# KiCad board beaglebone-ai-rev-a2.kicad_pcb (continued)
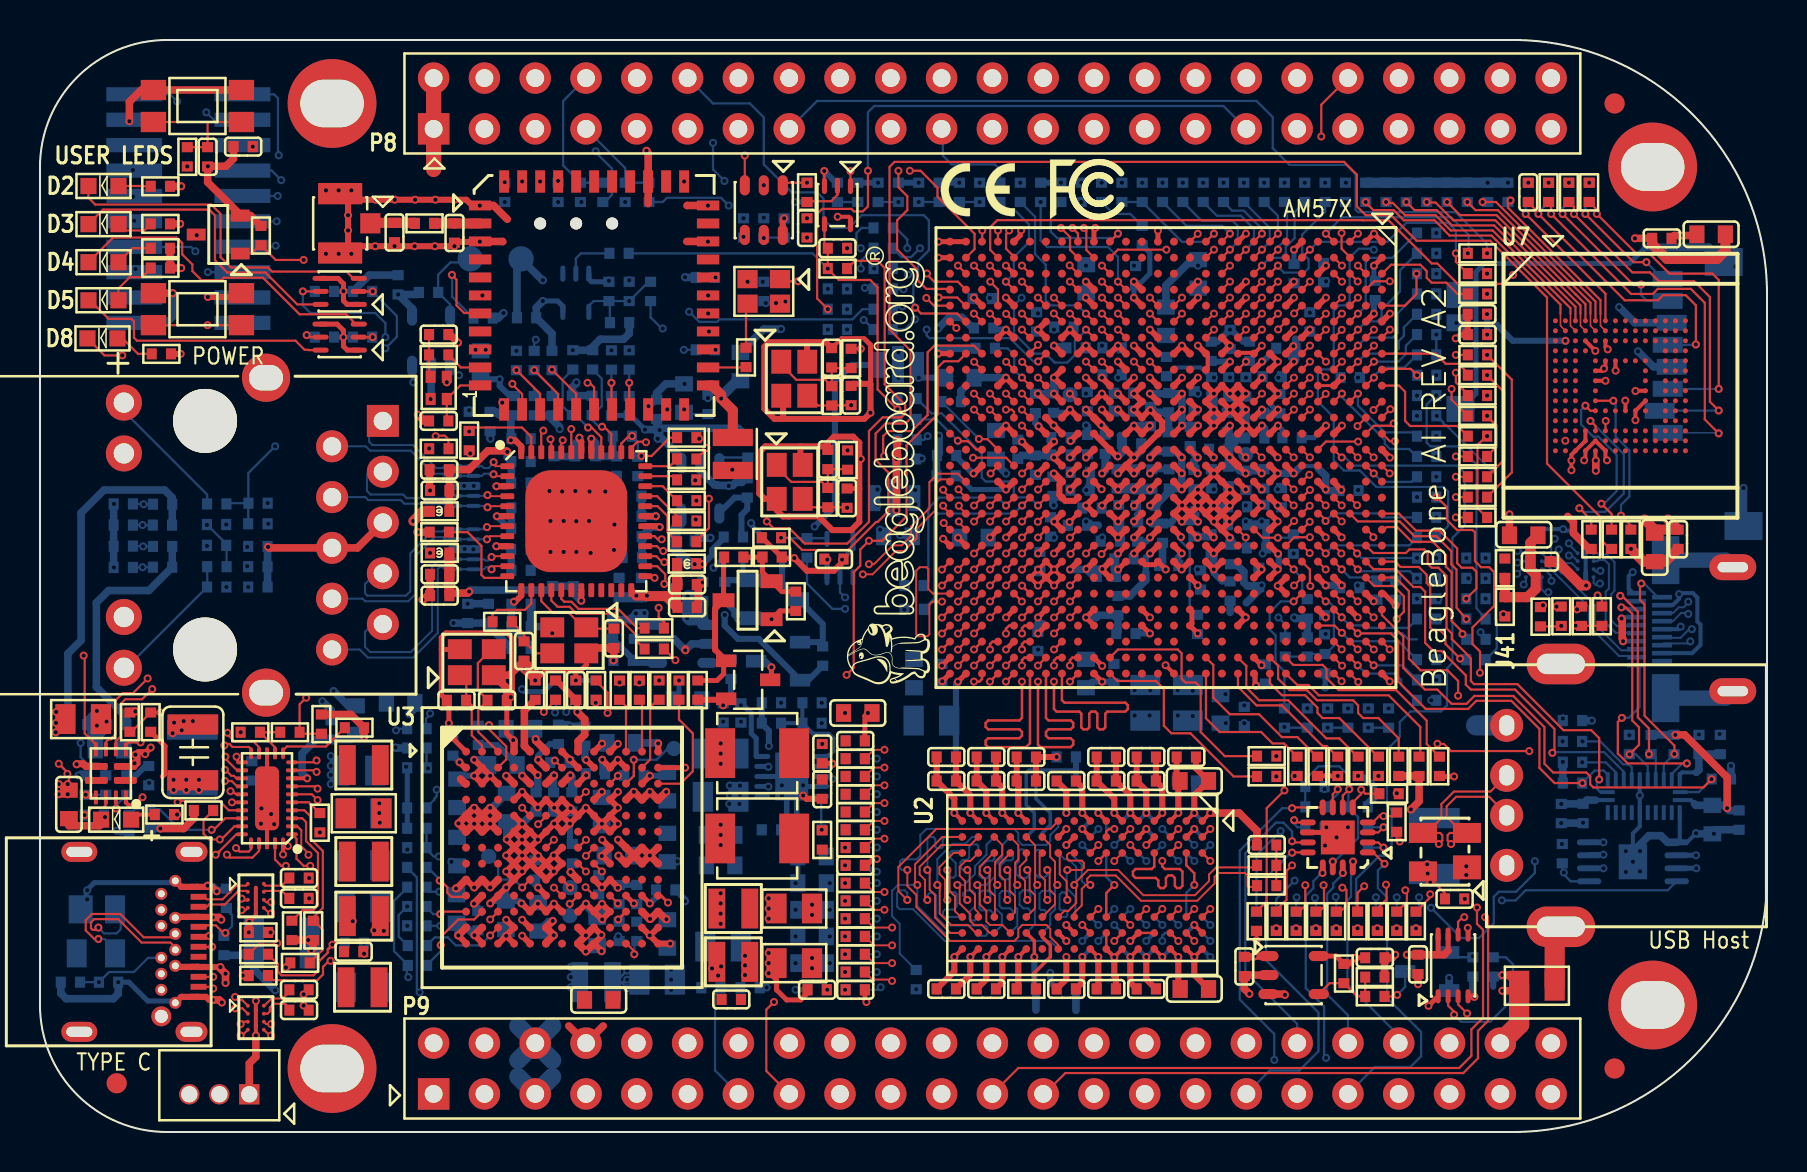
[diagram p0: board, top side]
## Routing (per net, layer and track width the routed paths; a pad name or vN(x,y) marks a point on that pad's centre or on a via; arc(x,y) is an arc through that point) (continued)
DDR1_BA2: length 47.4
  TOP w0.1: v1(49.37,11.6) 49.37,11.6 49.26,11.71 49.26,12.56 48.99,12.83 48.99,13.27 49.32,13.6 U2.M3 ; R42.2 41.69,8.45 v1(42.61,8.45)
  TOP w0.127: U4.AB18 v1(49.9,30.52)
  SIG_L5 w0.121: v1(49.37,11.6) 49.37,11.51 46.91,9.05 46.91,8.62 46.67,8.38 45.43,8.38 44.88,8.93 43.47,8.93 42.99,8.45 v1(42.61,8.45)
  SIG_L10 w0.121: v1(49.9,30.52) 49.5,30.13 49.5,29.46 49.63,29.34 50.16,29.34 50.32,29.18 50.32,28.71 50.16,28.56 49.63,28.56 49.5,28.43 49.5,27.92 49.3,27.72 48.93,27.72 48.7,27.49 48.7,27.17 48.47,26.94 48.21,26.94 47.9,26.63 47.9,26.37 47.67,26.14 47.35,26.14 47.1,25.89 47.1,25.57 46.87,25.34 46.61,25.34 46.57,25.29 46.56,25.29 46.34,25.08 46.34,24.83 46.02,24.51 45.72,24.51 45.47,24.26 45.47,23.97 45.26,23.76 44.91,23.76 44.7,23.56 44.7,22.35 45.21,21.84 45.21,20.64 46.48,19.37 48.51,19.37 48.9,18.99 48.9,17.72 49.02,17.59 49.57,17.59 49.7,17.46 49.7,16.83 49.83,16.7 50.16,16.7 50.29,16.57 50.29,16.14 50.42,16.01 50.78,16.01 50.91,15.88 50.91,15.69 50.78,15.56 50.42,15.56 50.29,15.44 50.29,15.24 50.42,15.11 50.86,15.11 50.99,14.99 50.99,14.8 50.86,14.67 50.42,14.67 50.29,14.54 50.29,14.35 50.42,14.22 50.86,14.22 50.99,14.1 50.99,13.91 50.86,13.78 50.29,13.78 49.76,13.25 49.76,12.87 49.37,12.48 v1(49.37,11.6)
  BOTTOM w0.1: U11.M3 49.52,10.96 49.52,11.07 49.41,11.18 49.17,11.18 48.98,11.37 48.98,11.93 49.15,12.09 49.38,12.09 49.52,11.95 49.52,11.76 v1(49.37,11.6)
DDR1_CASN: length 54.1
  TOP w0.1: v1(51.37,11.6) 51.37,11.6 51.34,11.63 51.34,12.54 50.99,12.88 50.99,13.88 U2.K3
  TOP w0.127: U4.AC18 v1(49.11,30.53)
  SIG_L5 w0.121: v1(42.04,7.24) 42.04,7.23 42.16,7.11 43.18,7.11 43.85,7.78 44.5,7.78 45.04,7.24 48.01,7.24 49.3,8.53 49.3,9.3 51.37,11.37 v1(51.37,11.6)
  SIG_L10 w0.121: v1(51.37,11.6) 51.1,11.33 50.16,10.39 43.52,10.39 42.65,11.26 42.65,19.29 42.23,19.71 42.23,20.76 41.71,21.29 41.71,26.87 44.82,29.98 44.82,30.77 44.99,30.94 48.69,30.94 48.82,30.81 48.83,30.81 v1(49.11,30.53)
  BOTTOM w0.1: v1(42.04,7.24) 42.04,7.21 41.94,7.11 R140.2 ; v1(51.37,11.6) 51.37,11.84 51.23,11.98 51.1,11.98 50.99,11.87 50.99,11.16 51.06,11.09 51.29,11.09 51.37,11 51.37,10.82 51.31,10.75 U11.K3
DDR1_CKE: length 48.4
  TOP w0.1: v1(43.37,13.1) 43.37,12.3 43.82,11.85 43.82,11.25 45.52,9.55 48.72,9.55 48.92,9.75 48.92,10.15 49.12,10.35 50.32,10.35 50.52,10.15 50.52,9.75 50.92,9.35 U2.K9
  TOP w0.127: U4.AG22 v1(45.9,27.32)
  INT_L3 w0.121: v1(45.9,27.32) 45.5,26.92 45.5,24.8 45.22,24.52 44.45,24.52 44.32,24.39 44.32,21.97 44.2,21.84 43.82,21.84 43.69,21.72 43.69,21.53 43.82,21.4 44.2,21.4 44.32,21.27 44.32,21.08 44.2,20.96 43.82,20.96 43.69,20.83 43.69,20.64 43.82,20.51 44.2,20.51 44.32,20.38 44.32,20.19 44.2,20.07 43.82,20.07 43.69,19.94 43.69,19.75 43.82,19.62 44.2,19.62 44.32,19.49 44.32,19.3 44.2,19.18 43.82,19.18 43.69,19.05 43.69,18.8 43.82,18.67 44.2,18.67 44.32,18.54 44.32,18.35 44.2,18.22 43.82,18.22 43.69,18.1 43.69,17.91 43.82,17.78 44.2,17.78 44.32,17.65 44.32,17.46 44.2,17.34 43.82,17.34 43.69,17.21 43.69,17.02 43.82,16.89 44.2,16.89 44.32,16.76 44.32,16.57 44.2,16.45 43.82,16.45 43.69,16.32 43.69,16.13 43.82,16 44.2,16 44.32,15.88 44.32,15.68 44.2,15.56 43.88,15.56 43.75,15.43 43.75,13.84 43.37,13.46 v1(43.37,13.1)
  SIG_L5 w0.121: v1(41.85,14.22) 42.25,14.22 v1(43.37,13.1)
  BOTTOM w0.1: U11.K9 50.92,15.25 50.52,14.85 50.52,14.55 50.32,14.35 49.12,14.35 48.92,14.55 48.92,14.95 48.72,15.15 44.32,15.15 44.02,14.85 44.02,13.83 43.83,13.63 43.11,13.63 43,13.52 43,13.2 43.1,13.1 v1(43.37,13.1) ; R126.2 v1(41.85,14.22)
DDR1_CLK0: length 50.7
  TOP w0.102: U2.J7 51.72,10.96 52.1,11.33 52.1,12.15 52.3,12.35 v1(52.52,12.35) 52.37,12.51 52.37,12.67 52.53,12.83 53.79,12.83 55.06,11.56 57.87,11.56 58.74,12.43 58.74,12.76 58.93,12.95 60.25,12.95 60.39,12.81 60.39,12.32 60.45,12.26 60.79,12.26 R26.2
  TOP w0.127: U4.AG24 v1(45.9,25.72)
  SIG_L8 w0.094: v1(52.52,12.35) 52.4,12.48 52.4,13.44 51.84,14 51.18,14 50.85,14.33 50.85,15.73 50.53,16.05 50.04,16.05 49.91,16.18 49.91,16.39 50,16.48 50.55,16.48 50.83,16.76 50.83,17.17 50.52,17.48 47.16,17.48 47.07,17.57 47.07,17.78 47.22,17.93 50.2,17.93 50.47,18.2 50.47,18.68 50.2,18.95 47.16,18.95 47.07,19.04 47.07,19.36 47.16,19.46 49.3,19.46 49.58,19.74 49.58,20.22 49.28,20.52 47.15,20.52 47.02,20.66 47.02,20.9 47.14,21.03 47.96,21.03 48.23,21.3 48.23,21.83 47.96,22.1 45.03,22.1 44.7,22.43 44.7,25.04 44.96,25.3 45.15,25.3 v1(45.9,25.72)
  BOTTOM w0.102: U11.J7 51.72,13.75 52.1,13.38 52.1,12.55 52.29,12.35 v1(52.52,12.35)
DDR1_CLK0N: length 50.7
  TOP w0.102: U2.K7 51.22,11.05 51.42,11.05 51.82,11.45 51.82,12.26 v1(51.72,12.35) 51.72,12.42 52.09,12.78 52.41,13.11 53.91,13.11 55.17,11.84 57.75,11.84 58.46,12.55 58.46,12.88 58.81,13.23 60.76,13.23 R29.2
  TOP w0.127: U4.AH24 v1(45.1,25.72)
  SIG_L8 w0.094: v1(51.72,12.35) 51.88,12.35 52.1,12.57 52.1,13.31 51.72,13.69 51.05,13.69 50.55,14.2 50.55,15.6 50.4,15.75 49.91,15.75 49.61,16.05 49.61,16.52 49.88,16.79 50.43,16.79 50.52,16.88 50.52,17.04 50.39,17.17 47.03,17.17 46.76,17.44 46.76,17.91 47.09,18.24 50.07,18.24 50.16,18.33 50.16,18.55 50.07,18.64 47.03,18.64 46.76,18.92 46.76,19.49 47.03,19.76 49.18,19.76 49.28,19.86 49.28,20.09 49.15,20.22 47.02,20.22 46.71,20.53 46.71,21.03 47.02,21.34 47.84,21.34 47.93,21.43 47.93,21.7 47.84,21.79 44.91,21.79 44.4,22.3 44.4,25.17 44.83,25.6 44.98,25.6 v1(45.1,25.72)
  BOTTOM w0.102: U11.K7 51.22,13.65 51.42,13.65 51.82,13.26 51.82,12.45 v1(51.72,12.35)
DDR1_CSN0: length 49.1
  TOP w0.1: v1(42.61,7.56) 42.54,7.62 41.63,7.62 R129.2 ; v1(45.1,26.52) 44.72,26.52 44.72,26.52 44.63,26.52 44.48,26.37 44.48,24.89 44.38,24.79 43.92,24.79 43.81,24.89 43.81,28.07 43.99,28.24 44.32,28.24 44.42,28.14 44.42,27.15 44.65,26.92 U4.AH23 ; U2.L2 50.51,14.36 50.51,13.76 50.76,13.52 50.76,12.42 50.82,12.35 v1(50.87,12.35)
  SIG_L5 w0.121: v1(50.87,12.35) 50.87,11.5 48.51,9.14 48.51,8.49 47.64,7.62 45.17,7.62 44.63,8.16 43.72,8.16 43.12,7.56 v1(42.61,7.56)
  SIG_L8 w0.121: v1(50.87,12.35) 50.51,12.71 50.02,12.71 49.78,12.95 49.78,13.53 49.72,13.59 49.72,14.9 49.44,15.18 45.94,15.18 45.34,15.77 45.34,16.15 45.97,16.79 45.97,20.76 45.85,20.89 44.87,20.89 43.56,22.2 43.56,25.4 44.69,26.52 v1(45.1,26.52)
  BOTTOM w0.1: v1(50.87,12.35) 50.75,12.24 50.75,11.13 50.52,10.9 50.52,10.35 U11.L2
DDR1_ODT0: length 48.2
  TOP w0.1: v1(43.37,11.6) 42.92,12.05 42.92,13.25 44.82,15.15 50.52,15.15 U2.K1
  TOP w0.127: U4.AE20 v1(47.51,28.93)
  SIG_L5 w0.121: v1(41.85,11.56) 43.32,11.56 v1(43.37,11.6)
  SIG_L10 w0.121: v1(47.51,28.93) 47.24,28.93 47.12,29.06 47.12,29.7 47,29.82 46.41,29.82 46.29,29.7 46.29,29.08 46.16,28.96 44.77,28.96 43.94,28.13 43.94,26.86 43.81,26.73 42.54,26.73 42.42,26.61 42.42,21.59 42.98,21.03 42.98,19.88 43.88,18.98 43.88,13.06 43.37,12.55 v1(43.37,11.6)
  BOTTOM w0.1: U11.K1 50.52,9.55 45.25,9.55 43.66,11.14 42.99,11.14 42.86,11.27 42.86,11.96 42.99,12.08 43.25,12.08 43.37,11.96 v1(43.37,11.6) ; R161.2 v1(41.85,11.56)
DDR1_RASN: length 50.3
  TOP w0.1: v1(42.23,19.11) 41.69,19.11 R25.2 ; U2.J3 51.46,13.95 51.36,13.86 51.36,13.65 51.44,13.57 52.09,13.57 52.2,13.47 52.2,13.22 52.08,13.1 v1(51.37,13.1)
  TOP w0.127: U4.AF20 v1(46.71,28.93)
  SIG_L5 w0.121: v1(51.37,13.1) 51.27,13.2 50.92,13.2 49.33,14.8 49.33,16.16 46.38,19.11 v1(42.23,19.11)
  SIG_L8 w0.121: v1(46.71,28.93) 47.13,28.51 50.16,28.51 50.29,28.38 50.29,27.06 50.16,26.93 49.76,26.93 49.51,26.68 49.51,26.3 49.35,26.13 44.8,26.13 43.94,25.27 43.94,22.3 44.97,21.27 46.23,21.27 46.35,21.15 46.35,16.36 46.1,16.1 46.1,15.81 46.35,15.56 49.62,15.56 50.1,15.07 50.1,13.72 50.23,13.59 50.67,13.59 51.16,13.1 v1(51.37,13.1)
  BOTTOM w0.1: U11.J3 51.73,10.75 51.78,10.81 51.78,11.76 51.33,12.2 51.33,13.07 v1(51.37,13.1)
DDR1_RST: length 34.2
  TOP w0.1: v1(43.87,12.35) 43.87,12.35 43.76,12.46 43.76,13.39 45.12,14.75 U2.T2
  TOP w0.127: U4.AG21 v1(45.9,28.12)
  SIG_L8 w0.121: v1(45.9,28.12) 45.9,28.13 45.52,28.51 43.83,28.51 42.04,26.72 42.04,21.79 43.81,20.02 43.81,12.41 v1(43.87,12.35)
  BOTTOM w0.1: R139.1 42.99,8.93 42.99,10.41 42.61,10.8 42.61,12.06 42.9,12.35 v1(43.87,12.35) 43.87,11.3 45.22,9.95 U11.T2
DDR1_WEN: length 48
  TOP w0.1: U2.L3 49.99,13.82 49.99,12.86 50.25,12.6 50.25,11.72 50.37,11.6 v1(50.37,11.6)
  TOP w0.127: U4.AH21 v1(45.1,28.12)
  SIG_L5 w0.121: v1(50.37,11.6) 47.74,8.97 47.74,8.61 47.13,8 45.3,8 44.76,8.54 43.6,8.54 43.05,8 v1(41.85,8)
  SIG_L10 w0.121: v1(50.37,11.6) 50.36,11.6 50.36,11.05 50.04,10.73 49.21,10.73 49.09,10.86 49.09,11.24 48.96,11.37 48.77,11.37 48.64,11.24 48.64,10.86 48.51,10.73 45.98,10.73 45.85,10.86 45.85,11.36 45.85,11.36 45.85,11.75 45.34,12.26 45.34,12.51 45.85,13.02 45.85,13.46 45.72,13.59 45.21,13.59 45.09,13.72 45.09,13.91 45.21,14.03 46.48,14.03 46.6,14.16 46.6,14.35 46.48,14.48 45.47,14.48 45.34,14.61 45.34,14.8 45.47,14.92 46.48,14.92 46.6,15.05 46.6,15.24 46.48,15.37 45.47,15.37 45.34,15.49 45.34,18.48 43.69,20.13 43.69,21.34 43.18,21.84 43.18,24.89 44.7,26.42 44.7,27.81 45.02,28.12 v1(45.1,28.12)
  BOTTOM w0.1: v1(50.37,11.6) 50.51,11.74 50.51,11.97 50.42,12.06 50.11,12.06 49.98,11.93 49.98,11.17 50.06,11.1 50.24,11.1 50.29,11.04 50.29,10.84 50.21,10.75 U11.L3 ; R143.2 v1(41.85,8)
DDR_VREFSTL: length 21.6
  TOP w0.178: U2.M8 49.72,9.55 v1(49.72,8.75)
  TOP w0.203: U2.H1 v1(52.12,15.95) ; v1(51.49,30.51) U4.Y18
  TOP w0.254: U4.N22 v1(57.89,27.34)
  TOP w0.305: v1(52.12,8.75) 52.12,7.47 C35.1 ; C20.1 52.12,17.24 v1(52.12,15.95)
  BOTTOM w0.178: 49.46,18.08 49.32,17.95 49.32,16.36 49.72,15.95 49.72,15.15 U11.M8
  BOTTOM w0.203: U11.H1 v1(52.12,8.75) ; 49.46,18.08 51.73,18.08 51.8,18.16
  BOTTOM w0.305: C144.1 49.72,7.24 v1(49.72,8.75) ; v1(52.12,15.95) 52.12,17.24 C20.1 C99.2 ; v1(52.12,8.75) 52.12,7.47 C35.1
  BOTTOM w0.381: C35.1 51.8,6.08 ; C144.1 49.8,6.1
  vias: v1(59.94,19.56) v1(60.45,19.56) v1(60.96,19.56)
E6_EHRPWM2A: length 27.9
  TOP w0.114: U4.E6 v1(64.3,40.93)
  SIG_L8 w0.102: v1(64.3,40.93) 64.03,41.19 64.03,41.43 63.12,42.34 63.12,43.15 62.29,43.98 62.29,45.47 61.68,46.08 54.13,46.08 53.34,46.86 48.83,46.86 48.45,47.24 48.45,47.71 47.37,48.79 44.29,48.79 42.92,50.17 P8.19
E7_LCD_DATA7: length 17.3
  TOP w0.114: U4.E7 v1(64.3,40.13)
  INT_L3 w0.102: v1(64.3,40.13) 64.72,40.54 67.69,40.54 67.89,40.74 67.89,45.58 67.67,45.81 67.67,47.96 66.8,48.82 66.8,51.56 P8.40
E8_VOUT1_D8: length 8.5
  TOP w0.114: U4.E8 v1(64.3,38.52)
  SIG_L5 w0.102: v1(64.3,38.52) 64.26,38.48 64.26,38.28 63.88,37.9 63.88,36.7 64.44,36.14 65.81,36.14 66.45,36.78 68,36.78 68.86,35.92 v1(68.86,35.81)
E9_LCD_DATA4: length 17.2
  TOP w0.114: U4.E9 v1(64.29,37.74)
  INT_L3 w0.102: P8.41 69.72,49.4 69.72,46.1 69.19,45.57 69.19,39.88 67.46,38.15 64.69,38.15 v1(64.29,37.74)
E11_VOUT1_VSYNC: length 10.5
  TOP w0.114: U4.E11 v1(64.29,36.92) ; R666.1 v1(70.8,32.77)
  SIG_L8 w0.102: v1(64.29,36.92) 64.7,36.51 67.82,36.51 68.28,36.06 68.28,35.76 68.86,35.18 69.98,35.18 70.33,34.82 70.33,33.24 v1(70.8,32.77)
E14_GPIO4_18: length 35.7
  TOP w0.114: v1(65.91,34.53) 64.31,34.53 U4.E14 ; R577.1 69.47,11.68 69.47,11.84 v1(69.52,11.89)
  SIG_L8 w0.102: v1(69.52,11.89) 69.49,11.89 68.58,12.8 68.58,14.15 70.31,15.88 70.31,18.08 71.3,19.08 71.3,21.01 72.39,22.1 72.39,24.09 73.71,25.41 73.71,26.94 72.59,28.05 71.07,28.05 69.44,29.68 68.75,29.68 68.19,29.12 66.26,29.12 65.8,29.58 65.8,30.77 66.29,31.27 66.29,34.11 65.91,34.49 v1(65.91,34.53)
E17_TIMER14: length 47.3
  TOP w0.114: U4.E17 v1(64.29,31.33)
  SIG_L8 w0.102: v1(64.29,31.33) 63.94,31.69 63.94,32.28 63.94,32.29 63.94,33.85 62.05,35.74 61.73,35.74 61.47,36 61.47,36.32 61.28,36.51 60.96,36.51 60.71,36.77 60.71,37.08 60.45,37.34 60.07,37.34 59.94,37.47 59.94,37.85 59.69,38.1 59.31,38.1 59.05,38.35 59.05,38.74 58.67,39.12 58.67,39.49 58.35,39.81 58.35,41.07 58.61,41.33 58.61,42.35 58.04,42.93 57.34,42.93 57.05,43.21 55.9,43.21 55.72,43.21 54.95,43.99 50.26,43.99 49.83,44.42 46.89,44.42 45.19,46.13 37.36,46.13 36.53,46.96 34.12,46.96 33.53,47.56 33.53,48.07 32.89,48.7 31.31,48.7 P8.9
E21_UAR10_RXD: length 24.7
  TOP w0.114: U4.E21 v1(64.29,28.13) ; v1(65.13,12.22) 65.21,12.22 65.33,12.1 65.33,11.33 65.02,11.02 R652.1
  SIG_L10 w0.102: v1(64.29,28.13) 64.71,27.72 64.71,24.19 64.64,24.13 64.64,22.17 64.97,21.84 64.97,20.07 63.12,18.21 63.12,17.27 62.26,16.41 62.26,15.41 62.48,15.18 62.48,14.92 62.13,14.57 62.13,11.3 62.38,11.05 64.06,11.05 64.16,11.15 64.16,11.73 64.64,12.22 v1(65.13,12.22)
Earth: length 725.7
  TOP w0.127: U2.G9 U2.G8 ; v1(57.72,12.35) 57.72,12.94 57.32,13.34 U2.B3 ; U2.D8 U2.E8 ; R679.2 v1(62.74,17.81)
  TOP w0.152: v1(39.22,48.06) 39.22,47.32 U6.3
  TOP w0.203: U7.H10 79.79,37.07 v1(79.78,37.06) ; U12.12 4.29,16.48 4.44,16.34 4.73,16.34 v1(5.13,16.74) ; v1(51.32,14.35) U2.J2 ; U2.G1 v1(52.92,15.95) ; U13.28 U13.31 U13.13 ; U2.M1 v1(48.92,15.95) ; U2.P1 v1(47.32,15.95) ; U7.C4 77.28,39.56 v1(77.77,39.07) ; U2.E8 v1(54.52,9.55) ; U2.G9 53.42,9.06 53.42,9.04 v1(53.72,8.74) 53.72,8.75 U2.F9 ; U88.B1 U88.B2 10.79,10.85 v1(10.46,10.52) ; U7.E7 78.78,38.08 v1(78.79,38.07) ; v1(10.79,4.83) U89.B2 U89.B1 v1(10.79,6.55) ; U2.T1 v1(45.72,15.95) ; U2.E1 v1(54.52,15.95) ; U7.G5 78.28,37.57 v1(78.28,37.57) ; U2.D1 v1(56.12,15.95) ; U2.B9 v1(57.72,8.75) U2.A9 ; v1(78.36,33.59) 78.3,33.59 78.28,33.6 U7.P6 U7.N5 U7.P4 77.28,33.59 77.28,33.59 v1(77.22,33.59) ; U2.M9 v1(48.92,8.75) ; v1(79.27,36.58) 79.28,36.57 U7.K8 ; U2.B1 v1(57.72,15.95) ; U2.J8 v1(51.32,10.35) ; U2.T9 v1(45.72,8.75) ; U2.P9 v1(47.32,8.75) ; U2.E2 v1(55.32,15.15) ; v1(56.29,23.34) U4.P28
  TOP w0.254: v1(62.71,44.12) 63.1,44.52 U4.F1 ; U4.K15 v1(60.29,32.93) ; U4.V15 v1(53.11,32.93) ; v1(26.8,22.58) 26.8,23.06 26.77,23.09 ; U4.B1 v1(66.7,44.93) U4.A1 ; U4.AB20 v1(49.91,28.93) ; U4.AA20 v1(50.71,28.93) ; U3.A1 20.65,19.68 v1(20.65,19.79) 20.45,19.99 v1(20.45,20.45) 20.45,21.49 C52.1 20.07,21.87 20.07,24.13 ; 26.77,23.09 27.05,23.09 27.32,23.35 X9.4 ; 26.77,23.09 25.27,23.09 v1(24.77,22.58) ; T1.1 15.37,39.1 15.18,39.29 v1(15.18,39.75) 15.18,40.08 14.86,40.4 T1.4 ; U4.AH2 44.94,43.73 v1(44.94,43.72) ; U4.A28 v1(67.49,22.53) ; U4.AD19 v1(48.31,29.73) ; v1(57.89,24.93) U4.N25 57.6,25.43 57.6,26.02 U4.N24 ; U4.D19 v1(65.09,29.73) ; v1(45.16,29.67) U4.AH20 ; U4.E19 v1(64.29,29.73) ; v1(56.29,28.13) U4.R21 55.75,28.37 55.26,28.37 U4.T21 ; U4.W28 52.71,22.92 v1(53.11,22.52) ; U4.T14 v1(54.71,33.73) ; v1(52.77,45.21) 52.7,45.15 U4.W1 ; U4.J28 60.76,22.87 60.76,22.38 60.81,22.33 v1(60.81,22.31) ; v1(44.94,44.52) 44.94,44.53 U4.AH1 U4.AG1 ; U4.AE19 v1(47.51,29.73) ; v1(23.66,19.6) 23.34,19.92 C51.1 23.39,21.59 v1(23.55,21.74) 23.62,21.82 23.62,22.86 ; 23.62,22.86 23.62,24.69 23.35,24.96 20.3,24.96 20.07,24.73 20.07,24.13 ; 23.62,22.86 22.71,22.86 X6.2 ; U46.1 v1(69.43,6.31) ; v1(41.33,6.5) 41.33,6.55 41.25,6.63 C42.1 ; 20.07,24.13 20.98,24.13 X6.4 ; U4.U21 v1(53.91,28.13) ; v1(45.12,22.54) U4.AH28 ; v1(64.33,15.24) 64.07,14.98 U78.10 ; U4.AA14 v1(50.71,33.73) ; U3.E7 v1(25.71,16.21) ; U4.N15 v1(57.89,32.93) ; T2.4 14.91,42.69 15.18,42.42 v1(15.18,42.05) 15.18,41.57 15.36,41.39 T2.1 ; U4.AH8 v1(44.91,38.92) ; U4.R1 v1(55.9,45.07) ; U4.W25 52.7,25.33 v1(52.31,25.73) U4.W24 ; U4.AD1 49.02,44.84 49.02,45.03 49.07,45.08 v1(49.07,45.09) ; v1(71.73,6.76) 71.6,6.76 71.57,6.79 U46.4 ; U4.T15 v1(54.71,32.93) ; U4.U20 v1(53.91,28.93) ; U4.A23 67.21,26.92 v1(67.79,26.34) ; U4.V17 v1(53.11,31.33) ; v1(66.71,43.33) 67.1,43.72 U4.A2 ; U4.AD24 v1(48.31,25.73) ; U4.W15 v1(52.31,32.93) ; U4.J15 v1(61.09,32.93) ; U4.K1 v1(60.3,44.93) ; U4.M19 v1(58.69,29.73) ; U4.N19 v1(57.89,29.73) ; U4.N14 v1(57.89,33.73) ; U4.U17 v1(53.91,31.33) ; U4.T17 v1(54.71,31.33) ; U4.T18 v1(54.71,30.53)
  TOP w0.305: v1(26.53,16.19) U3.D7 25.71,16.23 v1(25.71,16.21) U3.D6 24.91,16.23 v1(24.89,16.23) 24.89,16.23 U3.D5 v1(24.11,17.01) 23.72,16.62 U3.D4 ; v1(26.53,16.19) 26.16,15.82 U3.E7 ; v1(26.53,16.19) 26.9,15.82 U3.E8 ; v1(24.11,13.83) U3.H4 ; v1(24.11,13.83) 23.72,14.22 U3.G4 ; v1(24.11,13.83) U3.G5 ; v1(24.11,13.83) 24.51,13.44 U3.H5 ; U3.H4 24.1,13.03 v1(24.11,13.03) ; U3.H4 23.31,13.81 v1(23.31,13.83) U3.G4 ; U3.H4 v1(23.31,13.03) 23.31,13.01 U3.J4 ; v1(50.71,33.73) 51.1,33.33 U4.AA15 ; v1(24.11,13.03) U3.J4 ; v1(24.11,13.03) U3.H5 ; U3.J4 v1(23.31,12.23) U3.K3 v1(22.51,11.43) ; U3.H6 24.91,13.03 ; U3.H6 25.69,13.81 v1(25.69,13.83) ; U3.H6 v1(24.91,13.82) ; U3.H6 v1(25.7,13.03) ; 24.91,13.03 25.31,12.64 U3.J6 25.7,13.01 v1(25.7,13.03) ; 24.91,13.03 24.9,13.03 U3.H5 ; U3.F9 v1(28.1,15.41) ; v1(28.1,15.41) 28.49,15.02 U3.F10 v1(28.9,15.41) 28.9,15.43 U3.E10 ; v1(28.1,15.41) U3.E10 ; v1(28.1,15.41) 27.71,15.81 U3.E9 27.31,16.21 v1(27.3,16.21) U3.E8 ; v1(17.73,44.3) C268.2 ; v1(17.73,44.3) v1(18.73,44.3) v1(19.75,44.3) v1(20.73,44.3) C488.2 20.73,44.51 22,44.51 v1(22,44.53) ; v1(17.73,44.3) v1(16.76,44.3) 15.41,44.3 v1(15.41,45.09) v1(15.41,45.85) 15.41,46.62 v1(16.79,46.62) v1(17.74,46.62) v1(18.76,46.62) v1(19.77,46.62) v1(20.73,46.62) 21.32,46.62 21.61,46.33 U37.1 ; v1(28.9,12.21) 28.9,12.23 U3.J10 28.11,12.23 v1(28.1,12.23) U3.J9 ; U4.G7 v1(62.7,40.13) ; U3.E7 25.71,15.43 v1(25.71,15.42) ; U3.E7 26.5,15.42 v1(26.5,15.42) ; v1(22.51,17.81) 22.5,17.81 U3.C2 v1(21.71,17.81) 22.11,18.21 U3.B2 ; v1(22.51,17.81) U3.C3 ; v1(22.51,17.81) U3.B2 ; C11.2 C25.2 56.12,17.24 v1(56.12,15.95) ; U4.AA11 v1(50.7,36.93) ; v1(24.9,14.62) 24.91,14.62 U3.F6 25.31,15.02 v1(25.71,15.42) ; v1(24.9,14.62) 24.9,14.62 U3.G5 ; v1(24.9,14.62) 24.9,14.63 U3.F5 ; 7.87,12.26 8.32,12.26 v1(8.38,12.32) 8.44,12.26 8.62,12.26 v1(8.84,12.04) ; 7.87,12.26 7.88,12.26 ; 7.87,12.26 7.07,12.26 7.07,12.26 ; U3.C12 v1(30.5,17.81) ; v1(51.32,15.95) 51.32,17.07 C20.2 ; U3.B11 29.29,18.22 v1(28.9,18.61) U3.B10 28.12,18.61 v1(28.12,18.62) ; U3.L9 28.1,10.63 v1(28.11,10.63) 28.11,10.63 U3.L10 28.49,11.02 v1(28.1,11.41) 28.09,11.41 U3.L9 ; U3.L9 27.7,11.02 v1(27.3,11.42) 27.3,11.42 U3.L8 ; U3.H5 24.51,13.42 v1(24.91,13.82) ; U4.U15 v1(53.91,32.93) ; U4.U15 v1(54.71,33.73) 54.31,34.13 U4.U14 ; U4.U15 54.31,33.33 v1(54.71,32.93) ; v1(28.9,17.01) U3.D10 28.9,16.23 v1(28.9,16.21) U3.E10 ; v1(24.08,11.43) 24.1,11.43 U3.L5 24.9,11.42 v1(24.9,11.42) 24.91,11.42 U3.L6 25.7,11.42 v1(25.7,11.42) 25.71,11.42 U3.L7 ; U4.AD10 v1(48.3,37.73) U4.AE10 ; v1(8.39,41.76) 10.07,41.76 S3.1 ; C6.2 38.33,16.66 v1(38.16,16.83) ; C36.2 55.32,7.64 v1(55.32,8.75) ; C230.2 47.32,7.64 v1(47.32,8.75) ; 7.88,12.26 J42.A1 ; 7.88,12.26 7.07,12.26 ; U4.AA9 v1(50.7,37.73) U4.AA10 ; U3.B2 v1(21.71,18.61) ; v1(57.72,15.95) 57.72,16.84 C89.2 57.8,18.18 C231.2 ; U3.E4 24.1,15.43 24.1,15.41 ; U4.K24 v1(60.29,25.73) 59.9,25.34 U4.K25 ; U3.G4 v1(24.1,14.62) ; U3.G4 23.71,14.27 v1(23.34,14.63) 23.34,14.66 U3.F4 ; v1(24.1,14.62) U3.F4 ; v1(24.1,14.62) U3.F5 ; v1(24.1,14.62) U3.G5 ; v1(51.32,8.75) 51.32,7.64 C35.2 ; U3.E8 26.51,15.42 v1(26.5,15.42) ; C17.2 C19.2 47.32,17.07 v1(47.32,15.95) ; v1(8.64,6.6) 8.46,6.6 8.31,6.76 7.87,6.76 ; v1(25.71,15.42) 26.11,15.03 U3.F7 26.5,15.42 v1(26.5,15.42) ; 24.1,15.41 v1(24.11,15.41) U3.F5 ; 24.1,15.41 U3.F4 ; R22.1 48.92,7.24 v1(48.92,8.75) ; v1(20.92,9.83) 21.31,9.44 U3.N1 ; v1(21.72,9.84) 22.11,9.46 U3.N2 ; v1(24.91,13.82) U3.G5 ; U4.AE13 v1(48.3,35.33) U4.AD13 ; U4.K4 v1(60.3,42.53) ; U4.D13 v1(65.1,35.33) ; v1(30.49,9.83) 30.51,9.85 30.54,9.85 U3.M13 ; v1(30.49,9.83) U3.N13 31.51,9.42 v1(31.51,9.42) ; v1(30.49,9.83) U3.M12 ; v1(25.7,13.03) 25.71,13.03 U3.H7 25.69,13.83 25.72,13.83 U3.G7 ; C39.2 57.72,7.87 v1(57.72,8.75) ; U4.J12 v1(61.1,36.13) ; C10.2 C24.2 54.52,16.84 v1(54.52,15.95) ; U4.L13 v1(59.5,35.33) ; 7.06,6.76 J42.B1 ; 7.06,6.76 7.07,6.76 7.88,6.76 ; 7.06,6.76 7.87,6.76 ; U4.E13 v1(64.3,35.33) ; v1(45.72,15.95) 45.72,16.67 C22.2 C18.2 ; 7.87,6.76 7.88,6.76 ; 7.88,6.76 J42.A12 ; v1(48.92,15.95) 48.92,17.47 C23.2 C213.2 ; v1(30.91,19.43) 30.91,19.03 U3.A13 ; U4.T14 U4.R13 56.11,35.13 56.11,35.52 U4.R12 v1(55.53,36.1) 55.48,36.1 U4.T12 v1(54.7,36.13) U4.T11 v1(54.7,36.93) U4.T10 ; v1(45.72,8.75) 45.72,8.04 C9.2 ; 7.07,12.26 J42.B12 ; v1(28.11,14.61) U3.G10 28.51,14.22 v1(28.09,13.8) 28.12,13.8 U3.H10 ; U4.F7 v1(63.5,40.13) ; U4.K5 v1(60.3,41.73) ; v1(62.68,39.3) U4.G8 ; U4.R15 v1(55.51,32.93) ; U3.A7 v1(26.5,18.63) U3.B8 ; U4.G9 v1(62.7,38.53) ; U4.AA8 v1(50.7,39.33) ; v1(53.72,8.74) 53.72,7.8 53.8,7.71 C40.2 ; U4.H12 v1(61.9,36.13) ; U4.A6 v1(67.5,40.93) ; C283.2 71.39,39.88 C281.2 71.04,39.88 70.86,39.69 v1(70.79,39.69) ; U4.AB11 v1(49.9,36.93) ; U4.A14 v1(67.5,33.72) ; U4.AB14 v1(50.71,34.53)
  TOP w0.381: v1(23.66,19.6) 23.71,19.56 U3.A4 ; v1(73.13,7.85) 73.43,7.85 R699.2 73.71,7.06 v1(73.13,7.06) ; v1(18.9,35.86) 19.2,35.56 C68.2 ; R677.2 R676.2 68.96,16.54 v1(68.55,16.13) ; J92.1 10.47,3.43 10.79,3.76 v1(10.79,4.83) ; C337.2 24.77,23.01 v1(24.77,22.58) v1(24.21,23.14) C337.2 ; C337.2 23.48,22.84 X6.2 23.34,22.2 C51.1 ; S1.1 S1.3 5.07,52.11 4.47,51.51 v1(4.47,50.55) ; U4.L14 v1(59.49,33.73) U4.K15 ; 23.37,45.64 22.68,46.33 U37.1 ; v1(33.15,27.48) 33.05,27.38 C65.2 32.92,27.31 32.92,26.31 C66.2 ; U40.2 60.27,7.85 C489.1 60.22,7.16 v1(60.48,6.91) ; U3.M2 v1(21.72,9.84) ; C353.1 v1(68.91,7.39) ; v1(30.33,49.07) 30.35,49.05 30.35,49 30.41,48.94 U37.36 30.41,46.42 ; C456.2 1.45,15.32 2.98,15.32 3.06,15.39 D1.2 3.12,15.62 v1(3.25,15.75) ; R118.2 v1(18.87,30) ; C325.2 v1(79.76,44.69) ; v1(10.46,10.52) 10.44,10.49 v1(10.44,9.98) ; v1(4.78,21.03) 4.62,21.03 4.57,20.98 R60.2 ; C57.2 19.48,32.11 v1(19.51,32.08) ; X9.2 v1(25.62,24.94) ; R191.2 12.52,8.45 v1(12.29,8.22) ; S3.3 v1(6.64,41.95) ; v1(8.64,6.6) 8.97,6.6 v1(9.09,6.48) ; U37.33 32.36,46.33 32.36,46.33 ; v1(42.82,31.09) v1(42.82,32.39) v1(42.82,33.66) 42.86,33.69 v1(42.86,34.61) ; 23.14,44.53 23.13,44.53 U37.3 ; v1(79.16,24.54) 79.16,24.63 79.12,24.68 79.12,25.61 79.09,25.64 v1(79.09,25.68) ; C282.2 v1(73.48,30.89) ; C45.2 C46.2 19.38,26.82 19.18,26.62 v1(19.13,26.62) ; v1(20.92,9.83) 20.92,9.83 U3.M1 ; 32.27,24.16 v1(32.27,24.09) ; C491.2 9.68,48.68 9.3,48.3 v1(8.39,48.3) C321.2 8.38,47.5 10.02,45.86 Q18.2 10.53,45.83 R700.2 ; 32.34,44.53 U37.31 ; R657.1 C490.2 67.61,8.71 v1(67.77,8.86) ; v1(28.68,23.58) 28.7,23.61 C334.2 27.59,24.21 X9.4 ; v1(20.9,39.47) 20.5,39.88 C463.2 ; X4.2 v1(20.34,37.49)
  TOP w0.508: v1(77.32,27.33) 77.06,27.33 75.87,28.52 C285.2 ; v1(79.56,29.16) R201.2 80.19,28.52 C278.2 81.28,28.52 C286.2 ; C300.2 84.28,44.07 83.87,43.66 81.36,43.66 80.62,44.4 C325.2
  TOP w0.762: P8.2 P8.1 19.68,48.13
  TOP w1.016: P9.44 73.96,5.38 R699.2
  GND_L2 w0.381: 73.34,20.34 74.23,21.22 ; 73.34,20.34 72.46,19.45 ; 73.34,20.34 72.46,21.22 ; 72.17,5.3 P9.44 ; P9.44 73.88,3.59 ; P9.44 73.88,5.3 ; P9.44 72.17,3.59 ; J42.B1 8.24,6.46 ; 4.09,16.9 4.09,16.92 3.73,16.92 3.18,16.36 3.18,15.82 v1(3.25,15.75) 3.33,15.67 4.06,15.67 v1(5.13,16.74) ; 74.71,3.59 P9.46 74.71,5.3 ; 59.47,5.3 P9.34 ; P9.34 59.47,3.59 ; P9.34 61.18,3.59 ; P9.34 61.18,5.3 ; J42.B12 8.22,12.56 ; 5.21,48.87 4.47,49.61 v1(4.47,50.55) ; 20.54,49.31 P8.1 18.83,49.31
  INT_L3 w0.381: 72.17,3.59 P9.44 ; P9.44 72.17,5.3 ; P9.44 73.88,3.59 ; P9.44 73.88,5.3 ; 74.71,5.3 P9.46 74.71,3.59 ; 74.23,21.22 72.46,19.45 ; 18.83,49.31 P8.1 20.54,49.31 ; P9.34 61.18,3.59 ; P9.34 61.18,5.3 ; P9.34 59.47,3.59
  GND_L4 w0.381: P9.44 73.88,5.3 ; P9.44 73.88,3.59 ; P9.44 72.17,3.59 ; P9.44 72.17,5.3 ; J37.12 3.7,33.44 v1(3.7,31.41) 4.22,30.89 8.78,30.89 9.32,30.34 ; 74.71,3.59 P9.46 74.71,5.3 ; v1(3.7,28.23) 4.19,27.73 J37.13 ; J42.B1 8.26,6.46 ; 59.47,3.59 P9.34 ; P9.34 61.18,5.3 ; P9.34 61.18,3.59 ; P9.34 59.47,5.3 ; 20.54,49.31 P8.1 18.83,49.31 ; 72.46,19.45 73.34,20.34 ; 73.34,20.34 74.23,21.22 ; 73.34,20.34 72.46,21.22 ; J42.B12 8.24,12.56
  GND_L4 w0.762: P9.43 P9.44 ; P9.45 P9.46
  GND_L4 w1.016: P9.1 P9.2
  SIG_L5 w0.381: P9.44 73.88,3.59 ; P9.44 73.88,5.3 ; P9.44 72.17,3.59 ; P9.44 72.17,5.3 ; 74.71,3.59 P9.46 74.71,5.3 ; 18.83,49.31 P8.1 20.54,49.31
  SIG_L8 w0.381: 72.46,19.45 74.23,21.22 ; 20.54,3.59 P9.2 18.83,5.3 ; 72.17,5.3 P9.44 ; P9.44 73.88,5.3 ; P9.44 72.17,3.59 ; P9.44 73.88,3.59 ; 18.83,49.31 P8.1 20.54,49.31 ; 74.71,5.3 P9.46 74.71,3.59
  GND_L9 w0.381: P9.34 61.18,3.59 ; P9.34 59.47,5.3 ; P9.34 61.18,5.3 ; P9.34 59.47,3.59 ; P9.2 20.54,5.3 ; P9.2 20.54,3.59 ; P9.2 18.83,5.3 ; 74.71,5.3 P9.46 74.71,3.59 ; 72.46,19.45 73.34,20.34 ; 73.34,20.34 74.23,21.22 ; 73.34,20.34 72.46,21.22 ; 72.17,5.3 P9.44 ; P9.44 73.88,3.59 ; P9.44 73.88,5.3 ; P9.44 72.17,3.59 ; 20.54,49.31 P8.1 18.83,49.31 ; J42.B1 8.19,6.46 ; J42.B12 8.27,12.56
  SIG_L10 w0.381: 18.83,5.3 P9.2 20.54,5.3 ; 72.17,5.3 P9.44 ; P9.44 73.88,3.59 ; P9.44 73.88,5.3 ; P9.44 72.17,3.59 ; 74.71,5.3 P9.46 74.71,3.59 ; 72.46,21.22 73.34,20.34 ; 73.34,20.34 72.46,19.45 ; 73.34,20.34 74.23,21.22 ; 18.83,49.31 P8.1 20.54,49.31
  GND_L11 w0.381: P9.34 61.18,3.59 ; P9.34 61.18,5.3 ; P9.34 59.47,5.3 ; P9.34 59.47,3.59 ; 74.71,5.3 P9.46 74.71,3.59 ; J42.B12 8.22,12.56 ; 72.17,3.59 P9.44 ; P9.44 73.88,5.3 ; P9.44 73.88,3.59 ; P9.44 72.17,5.3 ; 18.83,5.3 P9.2 ; P9.2 20.54,3.59 ; P9.2 20.54,5.3 ; 20.54,49.31 P8.1 18.83,49.31 ; 72.46,21.22 73.34,20.34 ; 73.34,20.34 74.23,21.22 ; 73.34,20.34 72.46,19.45 ; J42.B1 8.22,6.46
  BOTTOM w0.127: R113.1 28.1,11.88 v1(28.1,12.23) ; C168.2 v1(60.22,21.34) ; v1(24.89,16.23) 24.97,16.23 C157.2 ; v1(57.72,12.35) 57.32,11.95 U11.B3 ; U2.G1 U11.G8 ; C495.2 v1(28.45,42.57)